# Altium PCB 4G_V4.1_5X4.PcbDoc (part 1 of 4) (continued)
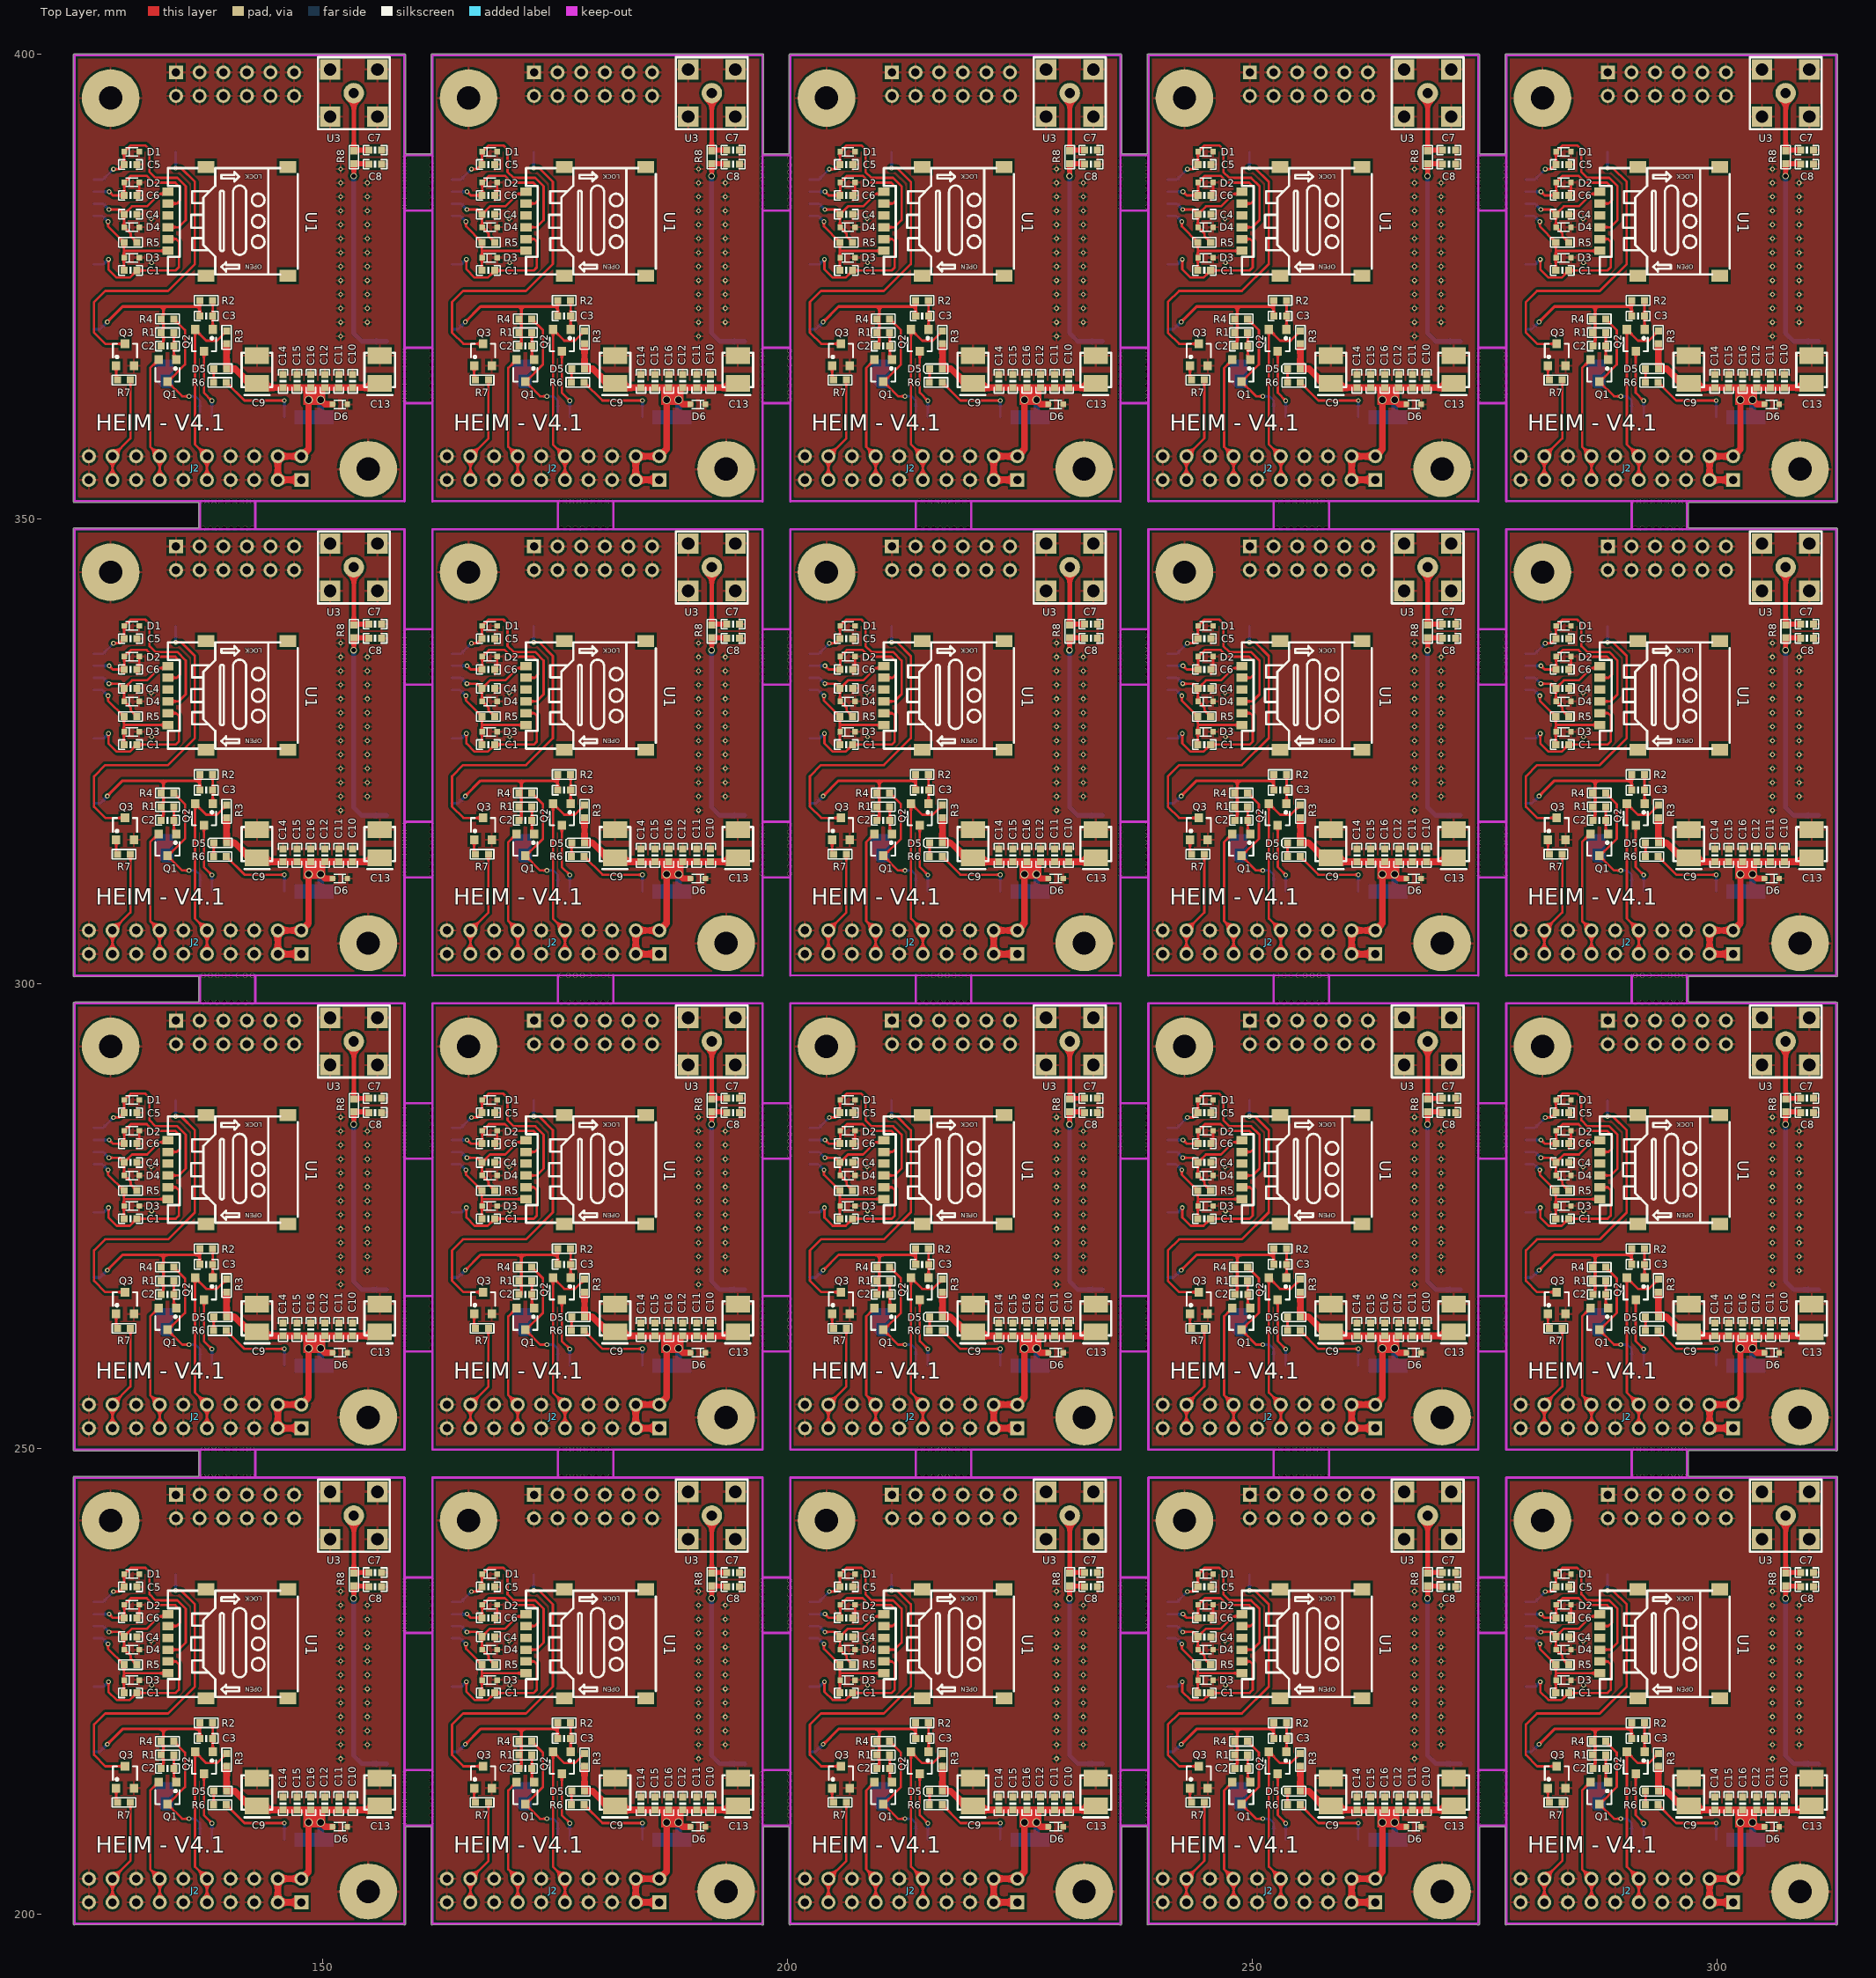
[diagram p0: Top Layer view]
## Components (designator, comment, footprint, x,y, rotation, side; value= is the part's Value field where it differs from the comment) (continued)
C13 "100UF/6.3V" CASE-B_3528 156.159,262.592 r270 top
C13 "100UF/6.3V" CASE-B_3528 194.659,262.592 r270 top
C13 "100UF/6.3V" CASE-B_3528 233.159,262.592 r270 top
C13 "100UF/6.3V" CASE-B_3528 271.659,262.592 r270 top
C13 "100UF/6.3V" CASE-B_3528 310.159,262.592 r270 top
C13 "100UF/6.3V" CASE-B_3528 156.159,313.592 r270 top
C13 "100UF/6.3V" CASE-B_3528 194.659,313.592 r270 top
C13 "100UF/6.3V" CASE-B_3528 233.159,313.592 r270 top
C13 "100UF/6.3V" CASE-B_3528 271.659,313.592 r270 top
C13 "100UF/6.3V" CASE-B_3528 310.159,313.592 r270 top
C13 "100UF/6.3V" CASE-B_3528 156.159,364.592 r270 top
C13 "100UF/6.3V" CASE-B_3528 194.659,364.592 r270 top
C13 "100UF/6.3V" CASE-B_3528 233.159,364.592 r270 top
C13 "100UF/6.3V" CASE-B_3528 271.659,364.592 r270 top
C13 "100UF/6.3V" CASE-B_3528 310.159,364.592 r270 top
C14 "100NF/50V" 0603_C 145.745,211.846 r90 top
C14 "100NF/50V" 0603_C 184.245,211.846 r90 top
C14 "100NF/50V" 0603_C 222.745,211.846 r90 top
C14 "100NF/50V" 0603_C 261.245,211.846 r90 top
C14 "100NF/50V" 0603_C 299.745,211.846 r90 top
C14 "100NF/50V" 0603_C 145.745,262.846 r90 top
C14 "100NF/50V" 0603_C 184.245,262.846 r90 top
C14 "100NF/50V" 0603_C 222.745,262.846 r90 top
C14 "100NF/50V" 0603_C 261.245,262.846 r90 top
C14 "100NF/50V" 0603_C 299.745,262.846 r90 top
C14 "100NF/50V" 0603_C 145.745,313.846 r90 top
C14 "100NF/50V" 0603_C 184.245,313.846 r90 top
C14 "100NF/50V" 0603_C 222.745,313.846 r90 top
C14 "100NF/50V" 0603_C 261.245,313.846 r90 top
C14 "100NF/50V" 0603_C 299.745,313.846 r90 top
C14 "100NF/50V" 0603_C 145.745,364.846 r90 top
C14 "100NF/50V" 0603_C 184.245,364.846 r90 top
C14 "100NF/50V" 0603_C 222.745,364.846 r90 top
C14 "100NF/50V" 0603_C 261.245,364.846 r90 top
C14 "100NF/50V" 0603_C 299.745,364.846 r90 top
C15 "33PF/50V" 0603_C 147.244,211.846 r90 top
C15 "33PF/50V" 0603_C 185.744,211.846 r90 top
C15 "33PF/50V" 0603_C 224.244,211.846 r90 top
C15 "33PF/50V" 0603_C 262.744,211.846 r90 top
C15 "33PF/50V" 0603_C 301.244,211.846 r90 top
C15 "33PF/50V" 0603_C 147.244,262.846 r90 top
C15 "33PF/50V" 0603_C 185.744,262.846 r90 top
C15 "33PF/50V" 0603_C 224.244,262.846 r90 top
C15 "33PF/50V" 0603_C 262.744,262.846 r90 top
C15 "33PF/50V" 0603_C 301.244,262.846 r90 top
C15 "33PF/50V" 0603_C 147.244,313.846 r90 top
C15 "33PF/50V" 0603_C 185.744,313.846 r90 top
C15 "33PF/50V" 0603_C 224.244,313.846 r90 top
C15 "33PF/50V" 0603_C 262.744,313.846 r90 top
C15 "33PF/50V" 0603_C 301.244,313.846 r90 top
C15 "33PF/50V" 0603_C 147.244,364.846 r90 top
C15 "33PF/50V" 0603_C 185.744,364.846 r90 top
C15 "33PF/50V" 0603_C 224.244,364.846 r90 top
C15 "33PF/50V" 0603_C 262.744,364.846 r90 top
C15 "33PF/50V" 0603_C 301.244,364.846 r90 top
C16 "10PF/50V" 0603_C 148.742,211.846 r90 top
C16 "10PF/50V" 0603_C 187.242,211.846 r90 top
C16 "10PF/50V" 0603_C 225.742,211.846 r90 top
C16 "10PF/50V" 0603_C 264.242,211.846 r90 top
C16 "10PF/50V" 0603_C 302.742,211.846 r90 top
C16 "10PF/50V" 0603_C 148.742,262.846 r90 top
C16 "10PF/50V" 0603_C 187.242,262.846 r90 top
C16 "10PF/50V" 0603_C 225.742,262.846 r90 top
C16 "10PF/50V" 0603_C 264.242,262.846 r90 top
C16 "10PF/50V" 0603_C 302.742,262.846 r90 top
C16 "10PF/50V" 0603_C 148.742,313.846 r90 top
C16 "10PF/50V" 0603_C 187.242,313.846 r90 top
C16 "10PF/50V" 0603_C 225.742,313.846 r90 top
C16 "10PF/50V" 0603_C 264.242,313.846 r90 top
C16 "10PF/50V" 0603_C 302.742,313.846 r90 top
C16 "10PF/50V" 0603_C 148.742,364.846 r90 top
C16 "10PF/50V" 0603_C 187.242,364.846 r90 top
C16 "10PF/50V" 0603_C 225.742,364.846 r90 top
C16 "10PF/50V" 0603_C 264.242,364.846 r90 top
C16 "10PF/50V" 0603_C 302.742,364.846 r90 top
D1 "PESDNC5D5VB" SOD-523 129.481,236.534 r0 top
D1 "PESDNC5D5VB" SOD-523 167.981,236.534 r0 top
D1 "PESDNC5D5VB" SOD-523 206.481,236.534 r0 top
D1 "PESDNC5D5VB" SOD-523 244.981,236.534 r0 top
D1 "PESDNC5D5VB" SOD-523 283.481,236.534 r0 top
D1 "PESDNC5D5VB" SOD-523 129.481,287.534 r0 top
D1 "PESDNC5D5VB" SOD-523 167.981,287.534 r0 top
D1 "PESDNC5D5VB" SOD-523 206.481,287.534 r0 top
D1 "PESDNC5D5VB" SOD-523 244.981,287.534 r0 top
D1 "PESDNC5D5VB" SOD-523 283.481,287.534 r0 top
D1 "PESDNC5D5VB" SOD-523 129.481,338.534 r0 top
D1 "PESDNC5D5VB" SOD-523 167.981,338.534 r0 top
D1 "PESDNC5D5VB" SOD-523 206.481,338.534 r0 top
D1 "PESDNC5D5VB" SOD-523 244.981,338.534 r0 top
D1 "PESDNC5D5VB" SOD-523 283.481,338.534 r0 top
D1 "PESDNC5D5VB" SOD-523 129.481,389.534 r0 top
D1 "PESDNC5D5VB" SOD-523 167.981,389.534 r0 top
D1 "PESDNC5D5VB" SOD-523 206.481,389.534 r0 top
D1 "PESDNC5D5VB" SOD-523 244.981,389.534 r0 top
D1 "PESDNC5D5VB" SOD-523 283.481,389.534 r0 top
D2 "PESDNC5D5VB" SOD-523 129.481,233.232 r0 top
D2 "PESDNC5D5VB" SOD-523 167.981,233.232 r0 top
D2 "PESDNC5D5VB" SOD-523 206.481,233.232 r0 top
D2 "PESDNC5D5VB" SOD-523 244.981,233.232 r0 top
D2 "PESDNC5D5VB" SOD-523 283.481,233.232 r0 top
D2 "PESDNC5D5VB" SOD-523 129.481,284.232 r0 top
D2 "PESDNC5D5VB" SOD-523 167.981,284.232 r0 top
D2 "PESDNC5D5VB" SOD-523 206.481,284.232 r0 top
D2 "PESDNC5D5VB" SOD-523 244.981,284.232 r0 top
D2 "PESDNC5D5VB" SOD-523 283.481,284.232 r0 top
D2 "PESDNC5D5VB" SOD-523 129.481,335.232 r0 top
D2 "PESDNC5D5VB" SOD-523 167.981,335.232 r0 top
D2 "PESDNC5D5VB" SOD-523 206.481,335.232 r0 top
D2 "PESDNC5D5VB" SOD-523 244.981,335.232 r0 top
D2 "PESDNC5D5VB" SOD-523 283.481,335.232 r0 top
D2 "PESDNC5D5VB" SOD-523 129.481,386.232 r0 top
D2 "PESDNC5D5VB" SOD-523 167.981,386.232 r0 top
D2 "PESDNC5D5VB" SOD-523 206.481,386.232 r0 top
D2 "PESDNC5D5VB" SOD-523 244.981,386.232 r0 top
D2 "PESDNC5D5VB" SOD-523 283.481,386.232 r0 top
D3 "PESDNC5D5VB" SOD-523 129.481,225.13 r0 top
D3 "PESDNC5D5VB" SOD-523 167.981,225.13 r0 top
D3 "PESDNC5D5VB" SOD-523 206.481,225.13 r0 top
D3 "PESDNC5D5VB" SOD-523 244.981,225.13 r0 top
D3 "PESDNC5D5VB" SOD-523 283.481,225.13 r0 top
D3 "PESDNC5D5VB" SOD-523 129.481,276.13 r0 top
D3 "PESDNC5D5VB" SOD-523 167.981,276.13 r0 top
D3 "PESDNC5D5VB" SOD-523 206.481,276.13 r0 top
D3 "PESDNC5D5VB" SOD-523 244.981,276.13 r0 top
D3 "PESDNC5D5VB" SOD-523 283.481,276.13 r0 top
D3 "PESDNC5D5VB" SOD-523 129.481,327.13 r0 top
D3 "PESDNC5D5VB" SOD-523 167.981,327.13 r0 top
D3 "PESDNC5D5VB" SOD-523 206.481,327.13 r0 top
D3 "PESDNC5D5VB" SOD-523 244.981,327.13 r0 top
D3 "PESDNC5D5VB" SOD-523 283.481,327.13 r0 top
D3 "PESDNC5D5VB" SOD-523 129.481,378.13 r0 top
D3 "PESDNC5D5VB" SOD-523 167.981,378.13 r0 top
D3 "PESDNC5D5VB" SOD-523 206.481,378.13 r0 top
D3 "PESDNC5D5VB" SOD-523 244.981,378.13 r0 top
D3 "PESDNC5D5VB" SOD-523 283.481,378.13 r0 top
D4 "PESDNC5D5VB" SOD-523 129.481,228.406 r0 top
D4 "PESDNC5D5VB" SOD-523 167.981,228.406 r0 top
D4 "PESDNC5D5VB" SOD-523 206.481,228.406 r0 top
D4 "PESDNC5D5VB" SOD-523 244.981,228.406 r0 top
D4 "PESDNC5D5VB" SOD-523 283.481,228.406 r0 top
D4 "PESDNC5D5VB" SOD-523 129.481,279.406 r0 top
D4 "PESDNC5D5VB" SOD-523 167.981,279.406 r0 top
D4 "PESDNC5D5VB" SOD-523 206.481,279.406 r0 top
D4 "PESDNC5D5VB" SOD-523 244.981,279.406 r0 top
D4 "PESDNC5D5VB" SOD-523 283.481,279.406 r0 top
D4 "PESDNC5D5VB" SOD-523 129.481,330.406 r0 top
D4 "PESDNC5D5VB" SOD-523 167.981,330.406 r0 top
D4 "PESDNC5D5VB" SOD-523 206.481,330.406 r0 top
D4 "PESDNC5D5VB" SOD-523 244.981,330.406 r0 top
D4 "PESDNC5D5VB" SOD-523 283.481,330.406 r0 top
D4 "PESDNC5D5VB" SOD-523 129.481,381.406 r0 top
D4 "PESDNC5D5VB" SOD-523 167.981,381.406 r0 top
D4 "PESDNC5D5VB" SOD-523 206.481,381.406 r0 top
D4 "PESDNC5D5VB" SOD-523 244.981,381.406 r0 top
D4 "PESDNC5D5VB" SOD-523 283.481,381.406 r0 top
D5 "绿色" 0603_D 138.989,213.192 r180 top
D5 "绿色" 0603_D 177.489,213.192 r180 top
D5 "绿色" 0603_D 215.989,213.192 r180 top
D5 "绿色" 0603_D 254.489,213.192 r180 top
D5 "绿色" 0603_D 292.989,213.192 r180 top
D5 "绿色" 0603_D 138.989,264.192 r180 top
D5 "绿色" 0603_D 177.489,264.192 r180 top
D5 "绿色" 0603_D 215.989,264.192 r180 top
D5 "绿色" 0603_D 254.489,264.192 r180 top
D5 "绿色" 0603_D 292.989,264.192 r180 top
D5 "绿色" 0603_D 138.989,315.192 r180 top
D5 "绿色" 0603_D 177.489,315.192 r180 top
D5 "绿色" 0603_D 215.989,315.192 r180 top
D5 "绿色" 0603_D 254.489,315.192 r180 top
D5 "绿色" 0603_D 292.989,315.192 r180 top
D5 "绿色" 0603_D 138.989,366.192 r180 top
D5 "绿色" 0603_D 177.489,366.192 r180 top
D5 "绿色" 0603_D 215.989,366.192 r180 top
D5 "绿色" 0603_D 254.489,366.192 r180 top
D5 "绿色" 0603_D 292.989,366.192 r180 top
D6 "PESDNC5D5VB" SOD-523 151.867,209.356 r180 top
D6 "PESDNC5D5VB" SOD-523 190.367,209.356 r180 top
D6 "PESDNC5D5VB" SOD-523 228.867,209.356 r180 top
D6 "PESDNC5D5VB" SOD-523 267.367,209.356 r180 top
D6 "PESDNC5D5VB" SOD-523 305.867,209.356 r180 top
D6 "PESDNC5D5VB" SOD-523 151.867,260.356 r180 top
D6 "PESDNC5D5VB" SOD-523 190.367,260.356 r180 top
D6 "PESDNC5D5VB" SOD-523 228.867,260.356 r180 top
D6 "PESDNC5D5VB" SOD-523 267.367,260.356 r180 top
D6 "PESDNC5D5VB" SOD-523 305.867,260.356 r180 top
D6 "PESDNC5D5VB" SOD-523 151.867,311.356 r180 top
D6 "PESDNC5D5VB" SOD-523 190.367,311.356 r180 top
D6 "PESDNC5D5VB" SOD-523 228.867,311.356 r180 top
D6 "PESDNC5D5VB" SOD-523 267.367,311.356 r180 top
D6 "PESDNC5D5VB" SOD-523 305.867,311.356 r180 top
D6 "PESDNC5D5VB" SOD-523 151.867,362.356 r180 top
D6 "PESDNC5D5VB" SOD-523 190.367,362.356 r180 top
D6 "PESDNC5D5VB" SOD-523 228.867,362.356 r180 top
D6 "PESDNC5D5VB" SOD-523 267.367,362.356 r180 top
D6 "PESDNC5D5VB" SOD-523 305.867,362.356 r180 top
J1 "Header 6X2A" HDR2X6_CEN 134.239,245.069 r0 bottom locked
J1 "Header 6X2A" HDR2X6_CEN 172.739,245.069 r0 bottom locked
J1 "Header 6X2A" HDR2X6_CEN 211.239,245.069 r0 bottom locked
J1 "Header 6X2A" HDR2X6_CEN 249.739,245.069 r0 bottom locked
J1 "Header 6X2A" HDR2X6_CEN 288.239,245.069 r0 bottom locked
J1 "Header 6X2A" HDR2X6_CEN 134.239,296.069 r0 bottom locked
J1 "Header 6X2A" HDR2X6_CEN 172.739,296.069 r0 bottom locked
J1 "Header 6X2A" HDR2X6_CEN 211.239,296.069 r0 bottom locked
J1 "Header 6X2A" HDR2X6_CEN 249.739,296.069 r0 bottom locked
J1 "Header 6X2A" HDR2X6_CEN 288.239,296.069 r0 bottom locked
J1 "Header 6X2A" HDR2X6_CEN 134.239,347.069 r0 bottom locked
J1 "Header 6X2A" HDR2X6_CEN 172.739,347.069 r0 bottom locked
J1 "Header 6X2A" HDR2X6_CEN 211.239,347.069 r0 bottom locked
J1 "Header 6X2A" HDR2X6_CEN 249.739,347.069 r0 bottom locked
J1 "Header 6X2A" HDR2X6_CEN 288.239,347.069 r0 bottom locked
J1 "Header 6X2A" HDR2X6_CEN 134.239,398.069 r0 bottom locked
J1 "Header 6X2A" HDR2X6_CEN 172.739,398.069 r0 bottom locked
J1 "Header 6X2A" HDR2X6_CEN 211.239,398.069 r0 bottom locked
J1 "Header 6X2A" HDR2X6_CEN 249.739,398.069 r0 bottom locked
J1 "Header 6X2A" HDR2X6_CEN 288.239,398.069 r0 bottom locked
J2 "Header 10X2A" HDR2X10_CEN 147.726,201.228 r180 top locked
J2 "Header 10X2A" HDR2X10_CEN 186.226,201.228 r180 top locked
J2 "Header 10X2A" HDR2X10_CEN 224.726,201.228 r180 top locked
J2 "Header 10X2A" HDR2X10_CEN 263.226,201.228 r180 top locked
J2 "Header 10X2A" HDR2X10_CEN 301.726,201.228 r180 top locked
J2 "Header 10X2A" HDR2X10_CEN 147.726,252.228 r180 top locked
J2 "Header 10X2A" HDR2X10_CEN 186.226,252.228 r180 top locked
J2 "Header 10X2A" HDR2X10_CEN 224.726,252.228 r180 top locked
J2 "Header 10X2A" HDR2X10_CEN 263.226,252.228 r180 top locked
J2 "Header 10X2A" HDR2X10_CEN 301.726,252.228 r180 top locked
J2 "Header 10X2A" HDR2X10_CEN 147.726,303.228 r180 top locked
J2 "Header 10X2A" HDR2X10_CEN 186.226,303.228 r180 top locked
J2 "Header 10X2A" HDR2X10_CEN 224.726,303.228 r180 top locked
J2 "Header 10X2A" HDR2X10_CEN 263.226,303.228 r180 top locked
J2 "Header 10X2A" HDR2X10_CEN 301.726,303.228 r180 top locked
J2 "Header 10X2A" HDR2X10_CEN 147.726,354.228 r180 top locked
J2 "Header 10X2A" HDR2X10_CEN 186.226,354.228 r180 top locked
J2 "Header 10X2A" HDR2X10_CEN 224.726,354.228 r180 top locked
J2 "Header 10X2A" HDR2X10_CEN 263.226,354.228 r180 top locked
J2 "Header 10X2A" HDR2X10_CEN 301.726,354.228 r180 top locked
Q1 "BC817-40" SOT-23-3 133.314,212.982 r180 top
Q1 "BC817-40" SOT-23-3 171.814,212.982 r180 top
Q1 "BC817-40" SOT-23-3 210.314,212.982 r180 top
Q1 "BC817-40" SOT-23-3 248.814,212.982 r180 top
Q1 "BC817-40" SOT-23-3 287.314,212.982 r180 top
Q1 "BC817-40" SOT-23-3 133.314,263.982 r180 top
Q1 "BC817-40" SOT-23-3 171.814,263.982 r180 top
Q1 "BC817-40" SOT-23-3 210.314,263.982 r180 top
Q1 "BC817-40" SOT-23-3 248.814,263.982 r180 top
Q1 "BC817-40" SOT-23-3 287.314,263.982 r180 top
Q1 "BC817-40" SOT-23-3 133.314,314.982 r180 top
Q1 "BC817-40" SOT-23-3 171.814,314.982 r180 top
Q1 "BC817-40" SOT-23-3 210.314,314.982 r180 top
Q1 "BC817-40" SOT-23-3 248.814,314.982 r180 top
Q1 "BC817-40" SOT-23-3 287.314,314.982 r180 top
Q1 "BC817-40" SOT-23-3 133.314,365.982 r180 top
Q1 "BC817-40" SOT-23-3 171.814,365.982 r180 top
Q1 "BC817-40" SOT-23-3 210.314,365.982 r180 top
Q1 "BC817-40" SOT-23-3 248.814,365.982 r180 top
Q1 "BC817-40" SOT-23-3 287.314,365.982 r180 top
Q2 "BC817-40" SOT-23-3 137.236,216.24 r180 top
Q2 "BC817-40" SOT-23-3 175.736,216.24 r180 top
Q2 "BC817-40" SOT-23-3 214.236,216.24 r180 top
Q2 "BC817-40" SOT-23-3 252.736,216.24 r180 top
Q2 "BC817-40" SOT-23-3 291.236,216.24 r180 top
Q2 "BC817-40" SOT-23-3 137.236,267.24 r180 top
Q2 "BC817-40" SOT-23-3 175.736,267.24 r180 top
Q2 "BC817-40" SOT-23-3 214.236,267.24 r180 top
Q2 "BC817-40" SOT-23-3 252.736,267.24 r180 top
Q2 "BC817-40" SOT-23-3 291.236,267.24 r180 top
Q2 "BC817-40" SOT-23-3 137.236,318.24 r180 top
Q2 "BC817-40" SOT-23-3 175.736,318.24 r180 top
Q2 "BC817-40" SOT-23-3 214.236,318.24 r180 top
Q2 "BC817-40" SOT-23-3 252.736,318.24 r180 top
Q2 "BC817-40" SOT-23-3 291.236,318.24 r180 top
Q2 "BC817-40" SOT-23-3 137.236,369.24 r180 top
Q2 "BC817-40" SOT-23-3 175.736,369.24 r180 top
Q2 "BC817-40" SOT-23-3 214.236,369.24 r180 top
Q2 "BC817-40" SOT-23-3 252.736,369.24 r180 top
Q2 "BC817-40" SOT-23-3 291.236,369.24 r180 top
Q3 "BC817-40" SOT-23-3 128.753,214.69 r0 top
Q3 "BC817-40" SOT-23-3 167.253,214.69 r0 top
Q3 "BC817-40" SOT-23-3 205.753,214.69 r0 top
Q3 "BC817-40" SOT-23-3 244.253,214.69 r0 top
Q3 "BC817-40" SOT-23-3 282.753,214.69 r0 top
Q3 "BC817-40" SOT-23-3 128.753,265.69 r0 top
Q3 "BC817-40" SOT-23-3 167.253,265.69 r0 top
Q3 "BC817-40" SOT-23-3 205.753,265.69 r0 top
Q3 "BC817-40" SOT-23-3 244.253,265.69 r0 top
Q3 "BC817-40" SOT-23-3 282.753,265.69 r0 top
Q3 "BC817-40" SOT-23-3 128.753,316.69 r0 top
Q3 "BC817-40" SOT-23-3 167.253,316.69 r0 top
Q3 "BC817-40" SOT-23-3 205.753,316.69 r0 top
Q3 "BC817-40" SOT-23-3 244.253,316.69 r0 top
Q3 "BC817-40" SOT-23-3 282.753,316.69 r0 top
Q3 "BC817-40" SOT-23-3 128.753,367.69 r0 top
Q3 "BC817-40" SOT-23-3 167.253,367.69 r0 top
Q3 "BC817-40" SOT-23-3 205.753,367.69 r0 top
Q3 "BC817-40" SOT-23-3 244.253,367.69 r0 top
Q3 "BC817-40" SOT-23-3 282.753,367.69 r0 top
R1 "10KΩ/1%" 0603_R 133.314,217.071 r180 top
R1 "10KΩ/1%" 0603_R 171.814,217.071 r180 top
R1 "10KΩ/1%" 0603_R 210.314,217.071 r180 top
R1 "10KΩ/1%" 0603_R 248.814,217.071 r180 top
R1 "10KΩ/1%" 0603_R 287.314,217.071 r180 top
R1 "10KΩ/1%" 0603_R 133.314,268.071 r180 top
R1 "10KΩ/1%" 0603_R 171.814,268.071 r180 top
R1 "10KΩ/1%" 0603_R 210.314,268.071 r180 top
R1 "10KΩ/1%" 0603_R 248.814,268.071 r180 top
R1 "10KΩ/1%" 0603_R 287.314,268.071 r180 top
R1 "10KΩ/1%" 0603_R 133.314,319.071 r180 top
R1 "10KΩ/1%" 0603_R 171.814,319.071 r180 top
R1 "10KΩ/1%" 0603_R 210.314,319.071 r180 top
R1 "10KΩ/1%" 0603_R 248.814,319.071 r180 top
R1 "10KΩ/1%" 0603_R 287.314,319.071 r180 top
R1 "10KΩ/1%" 0603_R 133.314,370.071 r180 top
R1 "10KΩ/1%" 0603_R 171.814,370.071 r180 top
R1 "10KΩ/1%" 0603_R 210.314,370.071 r180 top
R1 "10KΩ/1%" 0603_R 248.814,370.071 r180 top
R1 "10KΩ/1%" 0603_R 287.314,370.071 r180 top
R2 "10KΩ/1%" 0603_R 137.49,220.532 r180 top
R2 "10KΩ/1%" 0603_R 175.99,220.532 r180 top
R2 "10KΩ/1%" 0603_R 214.49,220.532 r180 top
R2 "10KΩ/1%" 0603_R 252.99,220.532 r180 top
R2 "10KΩ/1%" 0603_R 291.49,220.532 r180 top
R2 "10KΩ/1%" 0603_R 137.49,271.532 r180 top
R2 "10KΩ/1%" 0603_R 175.99,271.532 r180 top
R2 "10KΩ/1%" 0603_R 214.49,271.532 r180 top
R2 "10KΩ/1%" 0603_R 252.99,271.532 r180 top
R2 "10KΩ/1%" 0603_R 291.49,271.532 r180 top
R2 "10KΩ/1%" 0603_R 137.49,322.532 r180 top
R2 "10KΩ/1%" 0603_R 175.99,322.532 r180 top
R2 "10KΩ/1%" 0603_R 214.49,322.532 r180 top
R2 "10KΩ/1%" 0603_R 252.99,322.532 r180 top
R2 "10KΩ/1%" 0603_R 291.49,322.532 r180 top
R2 "10KΩ/1%" 0603_R 137.49,373.532 r180 top
R2 "10KΩ/1%" 0603_R 175.99,373.532 r180 top
R2 "10KΩ/1%" 0603_R 214.49,373.532 r180 top
R2 "10KΩ/1%" 0603_R 252.99,373.532 r180 top
R2 "10KΩ/1%" 0603_R 291.49,373.532 r180 top
R3 "10KΩ/1%" 0603_R 139.675,216.57 r270 top
R3 "10KΩ/1%" 0603_R 178.175,216.57 r270 top
R3 "10KΩ/1%" 0603_R 216.675,216.57 r270 top
R3 "10KΩ/1%" 0603_R 255.175,216.57 r270 top
R3 "10KΩ/1%" 0603_R 293.675,216.57 r270 top
R3 "10KΩ/1%" 0603_R 139.675,267.57 r270 top
R3 "10KΩ/1%" 0603_R 178.175,267.57 r270 top
R3 "10KΩ/1%" 0603_R 216.675,267.57 r270 top
R3 "10KΩ/1%" 0603_R 255.175,267.57 r270 top
R3 "10KΩ/1%" 0603_R 293.675,267.57 r270 top
R3 "10KΩ/1%" 0603_R 139.675,318.57 r270 top
R3 "10KΩ/1%" 0603_R 178.175,318.57 r270 top
R3 "10KΩ/1%" 0603_R 216.675,318.57 r270 top
R3 "10KΩ/1%" 0603_R 255.175,318.57 r270 top
R3 "10KΩ/1%" 0603_R 293.675,318.57 r270 top
R3 "10KΩ/1%" 0603_R 139.675,369.57 r270 top
R3 "10KΩ/1%" 0603_R 178.175,369.57 r270 top
R3 "10KΩ/1%" 0603_R 216.675,369.57 r270 top
R3 "10KΩ/1%" 0603_R 255.175,369.57 r270 top
R3 "10KΩ/1%" 0603_R 293.675,369.57 r270 top
R4 "10KΩ/1%" 0603_R 133.314,218.545 r180 top
R4 "10KΩ/1%" 0603_R 171.814,218.545 r180 top
R4 "10KΩ/1%" 0603_R 210.314,218.545 r180 top
R4 "10KΩ/1%" 0603_R 248.814,218.545 r180 top
R4 "10KΩ/1%" 0603_R 287.314,218.545 r180 top
R4 "10KΩ/1%" 0603_R 133.314,269.545 r180 top
R4 "10KΩ/1%" 0603_R 171.814,269.545 r180 top
R4 "10KΩ/1%" 0603_R 210.314,269.545 r180 top
R4 "10KΩ/1%" 0603_R 248.814,269.545 r180 top
R4 "10KΩ/1%" 0603_R 287.314,269.545 r180 top
R4 "10KΩ/1%" 0603_R 133.314,320.545 r180 top
R4 "10KΩ/1%" 0603_R 171.814,320.545 r180 top
R4 "10KΩ/1%" 0603_R 210.314,320.545 r180 top
R4 "10KΩ/1%" 0603_R 248.814,320.545 r180 top
R4 "10KΩ/1%" 0603_R 287.314,320.545 r180 top
R4 "10KΩ/1%" 0603_R 133.314,371.545 r180 top
R4 "10KΩ/1%" 0603_R 171.814,371.545 r180 top
R4 "10KΩ/1%" 0603_R 210.314,371.545 r180 top
R4 "10KΩ/1%" 0603_R 248.814,371.545 r180 top
R4 "10KΩ/1%" 0603_R 287.314,371.545 r180 top
R5 "15K" 0603_R 129.337,226.781 r180 top
R5 "15K" 0603_R 167.837,226.781 r180 top
R5 "15K" 0603_R 206.337,226.781 r180 top
R5 "15K" 0603_R 244.837,226.781 r180 top
R5 "15K" 0603_R 283.337,226.781 r180 top
R5 "15K" 0603_R 129.337,277.781 r180 top
R5 "15K" 0603_R 167.837,277.781 r180 top
R5 "15K" 0603_R 206.337,277.781 r180 top
R5 "15K" 0603_R 244.837,277.781 r180 top
R5 "15K" 0603_R 283.337,277.781 r180 top
R5 "15K" 0603_R 129.337,328.781 r180 top
R5 "15K" 0603_R 167.837,328.781 r180 top
R5 "15K" 0603_R 206.337,328.781 r180 top
R5 "15K" 0603_R 244.837,328.781 r180 top
R5 "15K" 0603_R 283.337,328.781 r180 top
R5 "15K" 0603_R 129.337,379.781 r180 top
R5 "15K" 0603_R 167.837,379.781 r180 top
R5 "15K" 0603_R 206.337,379.781 r180 top
R5 "15K" 0603_R 244.837,379.781 r180 top
R5 "15K" 0603_R 283.337,379.781 r180 top
R6 "470Ω/1%" 0603_R 138.963,211.719 r180 top
R6 "470Ω/1%" 0603_R 177.463,211.719 r180 top
R6 "470Ω/1%" 0603_R 215.963,211.719 r180 top
R6 "470Ω/1%" 0603_R 254.463,211.719 r180 top
R6 "470Ω/1%" 0603_R 292.963,211.719 r180 top
R6 "470Ω/1%" 0603_R 138.963,262.719 r180 top
R6 "470Ω/1%" 0603_R 177.463,262.719 r180 top
R6 "470Ω/1%" 0603_R 215.963,262.719 r180 top
R6 "470Ω/1%" 0603_R 254.463,262.719 r180 top
R6 "470Ω/1%" 0603_R 292.963,262.719 r180 top
R6 "470Ω/1%" 0603_R 138.963,313.719 r180 top
R6 "470Ω/1%" 0603_R 177.463,313.719 r180 top
R6 "470Ω/1%" 0603_R 215.963,313.719 r180 top
R6 "470Ω/1%" 0603_R 254.463,313.719 r180 top
R6 "470Ω/1%" 0603_R 292.963,313.719 r180 top
R6 "470Ω/1%" 0603_R 138.963,364.719 r180 top
R6 "470Ω/1%" 0603_R 177.463,364.719 r180 top
R6 "470Ω/1%" 0603_R 215.963,364.719 r180 top
R6 "470Ω/1%" 0603_R 254.463,364.719 r180 top
R6 "470Ω/1%" 0603_R 292.963,364.719 r180 top
R7 "4.7KΩ/1%" 0603_R 128.651,211.973 r180 top
R7 "4.7KΩ/1%" 0603_R 167.151,211.973 r180 top
R7 "4.7KΩ/1%" 0603_R 205.651,211.973 r180 top
R7 "4.7KΩ/1%" 0603_R 244.151,211.973 r180 top
R7 "4.7KΩ/1%" 0603_R 282.651,211.973 r180 top
R7 "4.7KΩ/1%" 0603_R 128.651,262.973 r180 top
R7 "4.7KΩ/1%" 0603_R 167.151,262.973 r180 top
R7 "4.7KΩ/1%" 0603_R 205.651,262.973 r180 top
R7 "4.7KΩ/1%" 0603_R 244.151,262.973 r180 top
R7 "4.7KΩ/1%" 0603_R 282.651,262.973 r180 top
R7 "4.7KΩ/1%" 0603_R 128.651,313.973 r180 top
R7 "4.7KΩ/1%" 0603_R 167.151,313.973 r180 top
R7 "4.7KΩ/1%" 0603_R 205.651,313.973 r180 top
R7 "4.7KΩ/1%" 0603_R 244.151,313.973 r180 top
R7 "4.7KΩ/1%" 0603_R 282.651,313.973 r180 top
R7 "4.7KΩ/1%" 0603_R 128.651,364.973 r180 top
R7 "4.7KΩ/1%" 0603_R 167.151,364.973 r180 top
R7 "4.7KΩ/1%" 0603_R 205.651,364.973 r180 top
R7 "4.7KΩ/1%" 0603_R 244.151,364.973 r180 top
R7 "4.7KΩ/1%" 0603_R 282.651,364.973 r180 top
R8 "0Ω" 0603_R 153.365,235.95 r270 top
R8 "0Ω" 0603_R 191.865,235.95 r270 top
R8 "0Ω" 0603_R 230.365,235.95 r270 top
R8 "0Ω" 0603_R 268.865,235.95 r270 top
R8 "0Ω" 0603_R 307.365,235.95 r270 top
R8 "0Ω" 0603_R 153.365,286.95 r270 top
R8 "0Ω" 0603_R 191.865,286.95 r270 top
R8 "0Ω" 0603_R 230.365,286.95 r270 top
R8 "0Ω" 0603_R 268.865,286.95 r270 top
R8 "0Ω" 0603_R 307.365,286.95 r270 top
R8 "0Ω" 0603_R 153.365,337.95 r270 top
R8 "0Ω" 0603_R 191.865,337.95 r270 top
R8 "0Ω" 0603_R 230.365,337.95 r270 top
R8 "0Ω" 0603_R 268.865,337.95 r270 top
R8 "0Ω" 0603_R 307.365,337.95 r270 top
R8 "0Ω" 0603_R 153.365,388.95 r270 top
R8 "0Ω" 0603_R 191.865,388.95 r270 top
R8 "0Ω" 0603_R 230.365,388.95 r270 top
R8 "0Ω" 0603_R 268.865,388.95 r270 top
R8 "0Ω" 0603_R 307.365,388.95 r270 top
U1 "SIM卡座" SIM卡座-NANO掀盖式 139.827,229.041 r180 top
U1 "SIM卡座" SIM卡座-NANO掀盖式 178.327,229.041 r180 top
U1 "SIM卡座" SIM卡座-NANO掀盖式 216.827,229.041 r180 top
U1 "SIM卡座" SIM卡座-NANO掀盖式 255.327,229.041 r180 top
U1 "SIM卡座" SIM卡座-NANO掀盖式 293.827,229.041 r180 top
U1 "SIM卡座" SIM卡座-NANO掀盖式 139.827,280.041 r180 top
U1 "SIM卡座" SIM卡座-NANO掀盖式 178.327,280.041 r180 top
U1 "SIM卡座" SIM卡座-NANO掀盖式 216.827,280.041 r180 top
U1 "SIM卡座" SIM卡座-NANO掀盖式 255.327,280.041 r180 top
U1 "SIM卡座" SIM卡座-NANO掀盖式 293.827,280.041 r180 top
U1 "SIM卡座" SIM卡座-NANO掀盖式 139.827,331.041 r180 top
U1 "SIM卡座" SIM卡座-NANO掀盖式 178.327,331.041 r180 top
U1 "SIM卡座" SIM卡座-NANO掀盖式 216.827,331.041 r180 top
U1 "SIM卡座" SIM卡座-NANO掀盖式 255.327,331.041 r180 top
U1 "SIM卡座" SIM卡座-NANO掀盖式 293.827,331.041 r180 top
U1 "SIM卡座" SIM卡座-NANO掀盖式 139.827,382.041 r180 top
U1 "SIM卡座" SIM卡座-NANO掀盖式 178.327,382.041 r180 top
U1 "SIM卡座" SIM卡座-NANO掀盖式 216.827,382.041 r180 top
U1 "SIM卡座" SIM卡座-NANO掀盖式 255.327,382.041 r180 top
U1 "SIM卡座" SIM卡座-NANO掀盖式 293.827,382.041 r180 top
U2 "EC20 R2.0" EC20_R2.0 141.148,222.234 r0 bottom
U2 "EC20 R2.0" EC20_R2.0 179.648,222.234 r0 bottom
U2 "EC20 R2.0" EC20_R2.0 218.148,222.234 r0 bottom
U2 "EC20 R2.0" EC20_R2.0 256.648,222.234 r0 bottom
U2 "EC20 R2.0" EC20_R2.0 295.148,222.234 r0 bottom
U2 "EC20 R2.0" EC20_R2.0 141.148,273.234 r0 bottom
U2 "EC20 R2.0" EC20_R2.0 179.648,273.234 r0 bottom
U2 "EC20 R2.0" EC20_R2.0 218.148,273.234 r0 bottom
U2 "EC20 R2.0" EC20_R2.0 256.648,273.234 r0 bottom
U2 "EC20 R2.0" EC20_R2.0 295.148,273.234 r0 bottom
U2 "EC20 R2.0" EC20_R2.0 141.148,324.234 r0 bottom
U2 "EC20 R2.0" EC20_R2.0 179.648,324.234 r0 bottom
U2 "EC20 R2.0" EC20_R2.0 218.148,324.234 r0 bottom
U2 "EC20 R2.0" EC20_R2.0 256.648,324.234 r0 bottom
U2 "EC20 R2.0" EC20_R2.0 295.148,324.234 r0 bottom
U2 "EC20 R2.0" EC20_R2.0 141.148,375.234 r0 bottom
U2 "EC20 R2.0" EC20_R2.0 179.648,375.234 r0 bottom
U2 "EC20 R2.0" EC20_R2.0 218.148,375.234 r0 bottom
U2 "EC20 R2.0" EC20_R2.0 256.648,375.234 r0 bottom
U2 "EC20 R2.0" EC20_R2.0 295.148,375.234 r0 bottom
U3 "ANT" SMA-KWE/弯头 150.825,240.294 r0 top
U3 "ANT" SMA-KWE/弯头 189.325,240.294 r0 top
U3 "ANT" SMA-KWE/弯头 227.825,240.294 r0 top
U3 "ANT" SMA-KWE/弯头 266.325,240.294 r0 top
U3 "ANT" SMA-KWE/弯头 304.825,240.294 r0 top
U3 "ANT" SMA-KWE/弯头 150.825,291.294 r0 top
U3 "ANT" SMA-KWE/弯头 189.325,291.294 r0 top
U3 "ANT" SMA-KWE/弯头 227.825,291.294 r0 top
U3 "ANT" SMA-KWE/弯头 266.325,291.294 r0 top
U3 "ANT" SMA-KWE/弯头 304.825,291.294 r0 top
U3 "ANT" SMA-KWE/弯头 150.825,342.294 r0 top
U3 "ANT" SMA-KWE/弯头 189.325,342.294 r0 top
U3 "ANT" SMA-KWE/弯头 227.825,342.294 r0 top
U3 "ANT" SMA-KWE/弯头 266.325,342.294 r0 top
U3 "ANT" SMA-KWE/弯头 304.825,342.294 r0 top
U3 "ANT" SMA-KWE/弯头 150.825,393.294 r0 top
U3 "ANT" SMA-KWE/弯头 189.325,393.294 r0 top
U3 "ANT" SMA-KWE/弯头 227.825,393.294 r0 top
U3 "ANT" SMA-KWE/弯头 266.325,393.294 r0 top
U3 "ANT" SMA-KWE/弯头 304.825,393.294 r0 top

## Footprints (in the part's own frame and the unit in brackets; to place one, negate y for a bottom-side part, rotate by r counter-clockwise, add the part's x,y. Pads: shape width x height; smd on the part's side, far side on the other; paste and mask are expansions set on the pad)
0603_C [mil] "电容"
  rect 30x30 smd: 1(-27,0) 2(27.5,-0.06)
  silkscreen extent -50,-20 50,20
0603_D [mil] "贴片发光二极管"
  rect 30x30 smd: 1(-27,0) 2(27.5,-0.06)
  silkscreen extent -50,-20 52,20
0603_R [mil] "电阻"
  rect 30x30 smd: 1(-27,0) 2(27.5,-0.06)
  silkscreen extent -50,-20 50,20
CASE-B_3528 [mm]
  rect 1.8x2.6 smd: 1(0,0) 2(-3.002,0)
  silkscreen extent -3.3,-1.65 1.23,1.65
EC20_R2.0 [mm] "移远通信4G模块"
  oval 2.5x0.8 smd: 1(-15.75,12.6) 2(-15.75,11.3) 3(-15.75,10) 4(-15.75,8.7) 5(-15.75,7.4) 6(-15.75,6.1) 7(-15.75,4.8) 8(-15.75,0.4) 9(-15.75,-0.9) 10(-15.75,-2.2) 11(-15.75,-3.5) 12(-15.75,-4.8) 13(-15.75,-6.1) 14(-15.75,-7.4) 15(-15.75,-8.7) 16(-15.75,-10) 17(-15.75,-11.3) 18(-15.75,-12.6) 37(15.75,-12.6) 38(15.75,-11.3) 39(15.75,-10) 40(15.75,-8.7) 41(15.75,-7.4) 42(15.75,-6.1) 43(15.75,-4.8) 44(15.75,-3.5) 45(15.75,-2.2) 46(15.75,-0.9) 47(15.75,0.4) 48(15.75,4.8) 49(15.75,6.1) 50(15.75,7.4) 51(15.75,8.7) 52(15.75,10) 53(15.75,11.3) 54(15.75,12.6) 141(-15.75,3) 142(-15.75,1.7) 143(15.75,1.7) 144(15.75,3)
  oval 0.8x2.5 smd: 19(-9.55,-14.25) 20(-8.25,-14.25) 21(-6.95,-14.25) 22(-5.65,-14.25) 23(-4.35,-14.25) 24(-3.05,-14.25) 25(-1.75,-14.25) 26(-0.45,-14.25) 27(0.85,-14.25) 28(2.15,-14.25) 29(3.45,-14.25) 30(4.75,-14.25) 31(6.05,-14.25) 32(7.35,-14.25) 33(8.65,-14.25) 34(9.95,-14.25) 35(11.25,-14.25) 36(12.55,-14.25) 55(12.55,14.25) 56(11.25,14.25) 57(9.95,14.25) 58(8.65,14.25) 59(7.35,14.25) 60(6.05,14.25) 61(4.75,14.25) 62(3.45,14.25) 63(2.15,14.25) 64(0.85,14.25) 65(-0.45,14.25) 66(-1.75,14.25) 67(-3.05,14.25) 68(-4.35,14.25) 69(-5.65,14.25) 70(-6.95,14.25) 71(-8.25,14.25) 72(-9.55,14.25) 113(-10.85,14.25) 114(-12.15,14.25) 115(-10.85,-14.25) 116(-12.15,-14.25)
  rect 2x3 smd: 85(8.2,9.6) 86(8.2,4.8) 87(8.2,0) 88(8.2,-4.8) 89(8.2,-9.6) 90(5,9.6) 91(5,4.8) 92(5,0) 93(5,-4.8) 94(5,-9.6) 95(1.6,9.6) 96(1.6,4.8) 97(1.6,-4.8) 98(1.6,-9.6) 99(-1.6,9.6) 100(-1.6,4.8) 101(-1.6,-4.8) 102(-1.6,-9.6) 103(-5,9.6) 104(-5,4.8) 105(-5,0) 106(-5,-4.8) 107(-5,-9.6) 109(-8.2,4.8) 110(-8.2,0) 111(-8.2,-4.8) 112(-8.2,-9.6)
  rect 1x2 smd: 108(-8.2,9.6)
  rect 1.1x1.1 smd: 117(-11,11) 118(-11,9) 119(-11,7) 120(-11,5) 121(-11,3) 122(-11,1) 123(-11,-1) 124(-11,-3) 125(-11,-5) 126(-11,-7) 127(-11,-9) 128(-11,-11) 129(-13,11) 130(-13,9) 131(-13,7) 132(-13,5) 133(-13,3) 134(-13,1) 135(-13,-1) 136(-13,-3) 137(-13,-5) 138(-13,-7) 139(-13,-9) 140(-13,-11)
  Top Layer region: -9.2,10.3 -8.4,11.1 -7.2,11.1 -7.2,8.1 -9.2,8.1
  Top Layer pour cut-out: 3.5,2.8 -3.5,2.8 -3.5,-2.8 3.5,-2.8
  silkscreen extent -16,-14.5 16,14.5
HDR2X6_CEN [mm] "Connector; Header; 6x2 Position"
  rect 1.5x1.5 hole 0.9: 1(0,0)
  round 1.5 hole 0.9: 2(2.54,0) 3(5.08,0) 4(7.62,0) 5(10.16,0) 6(12.7,0) 7(0,2.54) 8(2.54,2.54) 9(5.08,2.54) 10(7.62,2.54) 11(10.16,2.54) 12(12.7,2.54)
  silkscreen extent -1.27,-1.27 13.97,3.81
HDR2X10_CEN [mm] "Connector; Header; 10x2 Position"
  rect 1.5x1.5 hole 0.9: 1(0,0)
  round 1.5 hole 0.9: 2(2.54,0) 3(5.08,0) 4(7.62,0) 5(10.16,0) 6(12.7,0) 7(15.24,0) 8(17.78,0) 9(20.32,0) 10(22.86,0) 11(0,-2.54) 12(2.54,-2.54) 13(5.08,-2.54) 14(7.62,-2.54) 15(10.16,-2.54) 16(12.7,-2.54) 17(15.24,-2.54) 18(17.78,-2.54) 19(20.32,-2.54) 20(22.86,-2.54)
SIM卡座-NANO掀盖式 [mm]
  rect 1.8x1.3 smd: 0(-6.451,5.853) 0(-6.451,-5.853) 0(2.349,5.853) 0(2.349,-5.853)
  rect 1.2x0.9 smd: 1(6.451,3.173) 2(6.451,0.633) 3(6.451,-1.907) 4(6.451,1.903) 5(6.451,-0.637) 6(6.451,-3.177)
  silkscreen extent -7.52,-5.72 6.45,5.72
SMA-KWE/弯头 [mm] "总长14.5mm/牙长8.5mm"
  rect 2.2x2.2 hole 1.35: 0(0,0) 0(0,5.08) 0(5.08,0) 0(5.08,5.08)
  round 2.2 hole 1.1: 1(2.54,2.54)
  silkscreen extent -1.32,-1.35 6.4,6.4
SOD-523 [mm]
  rect 0.6x0.6 smd: 1(-0.8,0) 2(0.8,0)
  silkscreen extent -0.65,-0.45 0.65,0.45
SOT-23-3 [mm]
  rect 0.9x0.95 smd: 1(-0.95,-1.175) 2(0.95,-1.175) 3(0,1.175)
  silkscreen extent -1.3,-0.35 1.3,1.18